# KiCad board panel.kicad_pcb
title: SMPBR - SATA Expansion; date: 2024-10-10; rev: ${VERSION}; company: TrendBit s.r.o.; note: Designed by: Petr Malaník
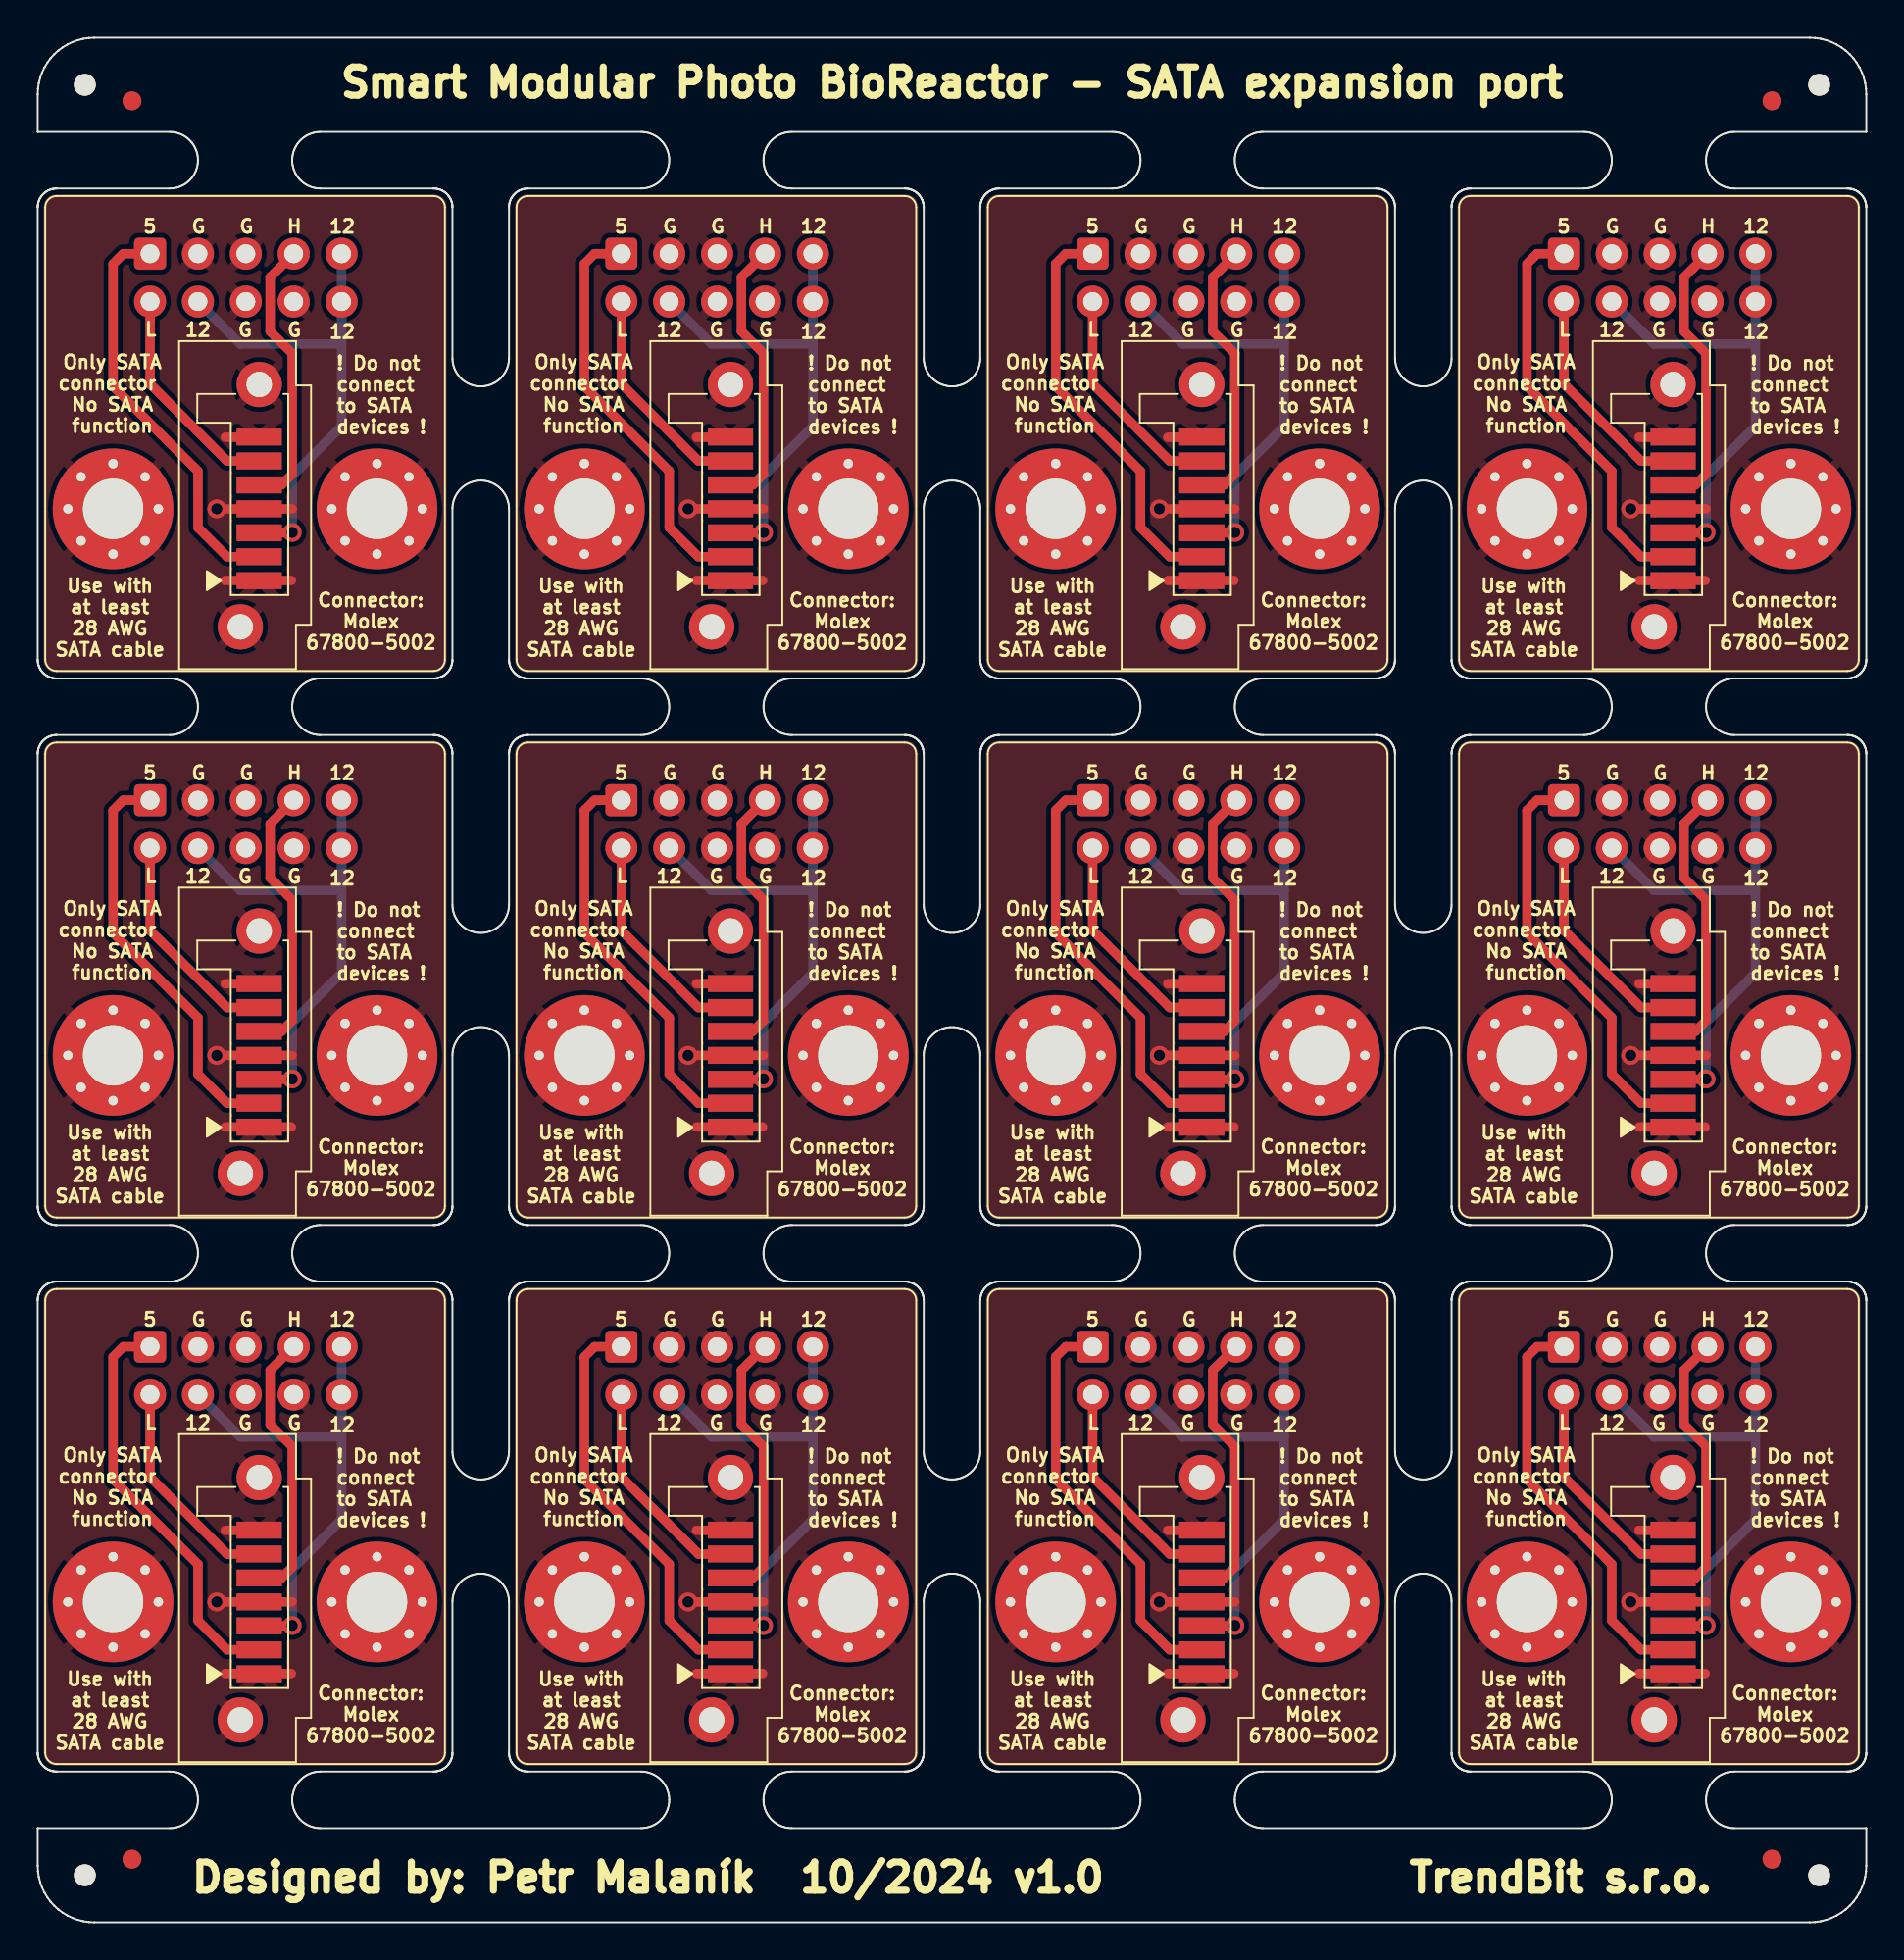
[diagram p0: board, top side]
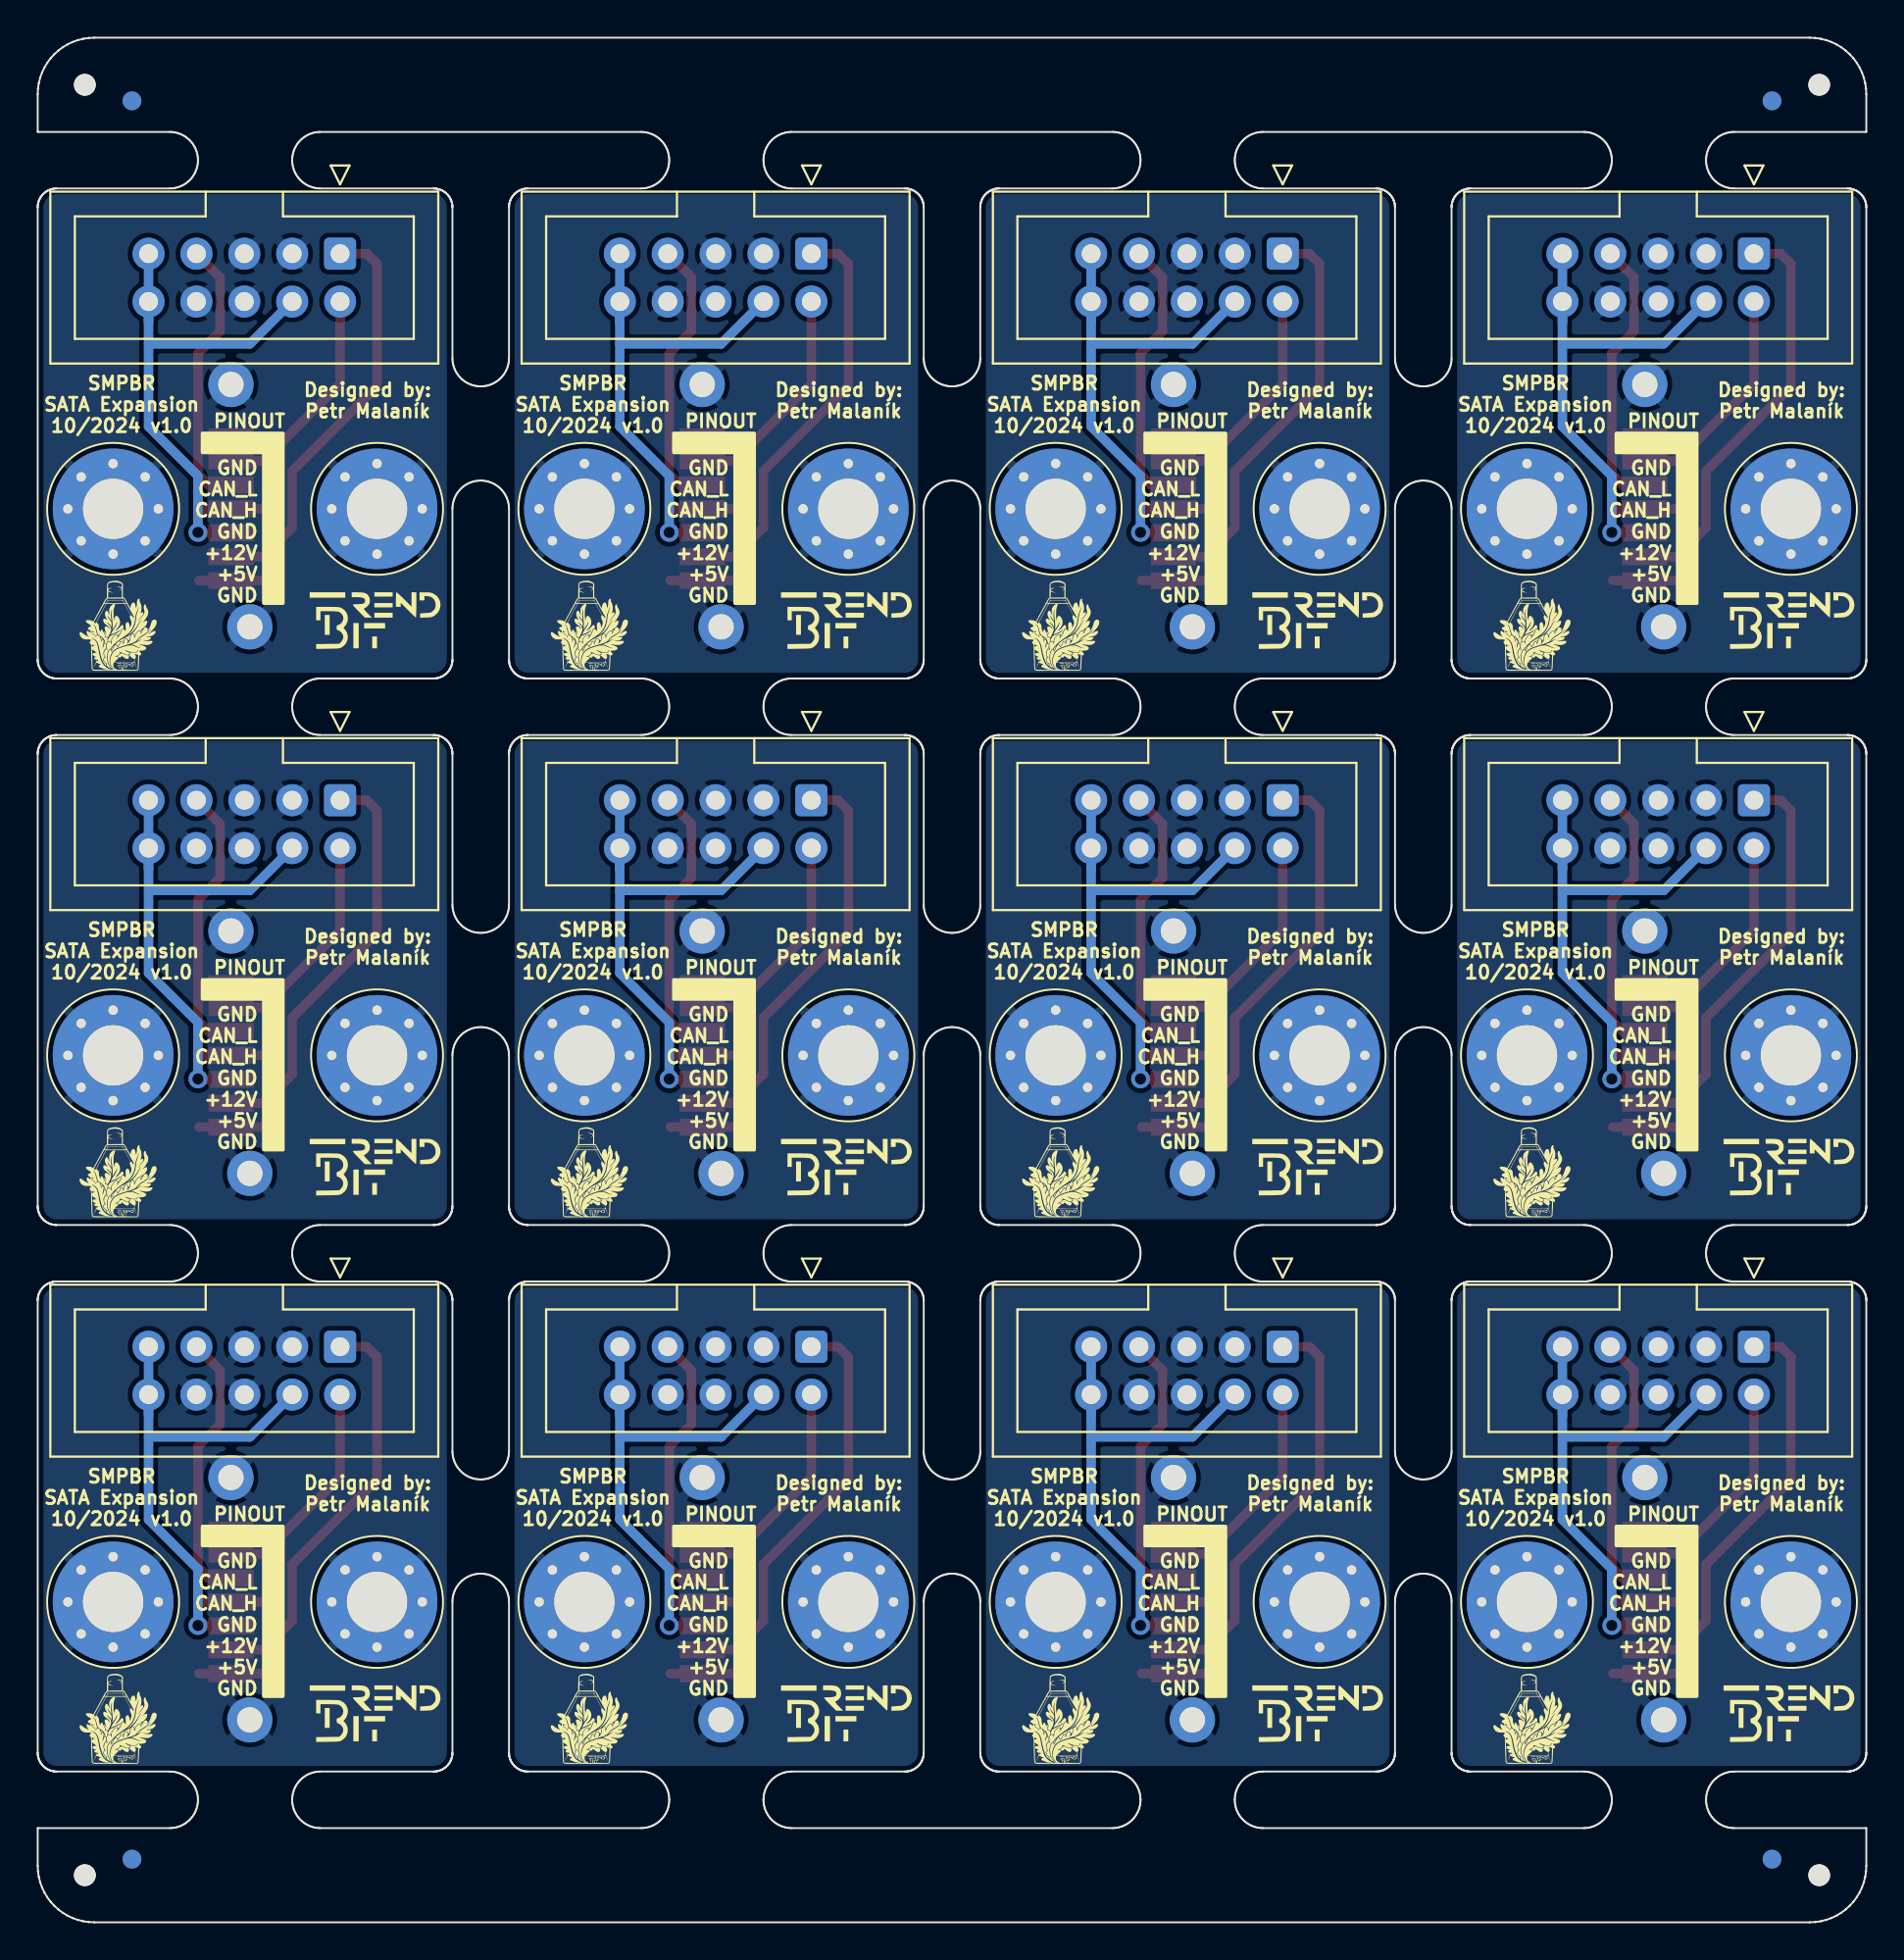
[diagram p1: board, bottom side, seen from below]

Outline 97 x 100 mm; copper layers: Top, Bottom. Coordinates in mm from the lower left corner of the outline.
Stack: Top 0.035mm / dielectric 1.51mm FR4 er 4.5 / Bottom 0.035mm

## Placement (name value [footprint] x y rotation side)
G***  -  [LOGO]  54 69 180 bottom
G***#2  -  [LOGO]  54 40 180 bottom
G***#3  -  [LOGO]  79 11 180 bottom
G***#4  -  [LOGO]  54 11 180 bottom
G***#5  -  [LOGO]  29 40 180 bottom
G***#6  -  [LOGO]  17.75 39.75 180 bottom
G***#7  -  [LOGO]  42.75 39.75 180 bottom
G***#8  -  [LOGO]  92.75 68.75 180 bottom
G***#9  -  [LOGO]  92.75 10.75 180 bottom
G***#10  -  [LOGO]  92.75 39.75 180 bottom
G***#11  -  [LOGO]  42.75 10.75 180 bottom
G***#12  -  [LOGO]  29 69 180 bottom
G***#13  -  [LOGO]  4 69 180 bottom
G***#14  -  [LOGO]  79 40 180 bottom
G***#15  -  [LOGO]  67.75 39.75 180 bottom
G***#16  -  [LOGO]  4 40 180 bottom
G***#17  -  [LOGO]  67.75 68.75 180 bottom
G***#18  -  [LOGO]  17.75 10.75 180 bottom
G***#19  -  [LOGO]  79 69 180 bottom
G***#20  -  [LOGO]  29 11 180 bottom
G***#21  -  [LOGO]  17.75 68.75 180 bottom
G***#22  -  [LOGO]  42.75 68.75 180 bottom
G***#23  -  [LOGO]  4 11 180 bottom
G***#24  -  [LOGO]  67.75 10.75 180 bottom
H1  M3  [MountingHole_3.2mm_M3_Pad_Via]  43 17 0 top
H1#2  M3  [MountingHole_3.2mm_M3_Pad_Via]  18 17 0 top
H1#3  M3  [MountingHole_3.2mm_M3_Pad_Via]  68 17 0 top
H1#4  M3  [MountingHole_3.2mm_M3_Pad_Via]  93 17 0 top
H1#5  M3  [MountingHole_3.2mm_M3_Pad_Via]  68 75 0 top
H1#6  M3  [MountingHole_3.2mm_M3_Pad_Via]  93 46 0 top
H1#7  M3  [MountingHole_3.2mm_M3_Pad_Via]  18 75 0 top
H1#8  M3  [MountingHole_3.2mm_M3_Pad_Via]  93 75 0 top
H1#9  M3  [MountingHole_3.2mm_M3_Pad_Via]  43 75 0 top
H1#10  M3  [MountingHole_3.2mm_M3_Pad_Via]  43 46 0 top
H1#11  M3  [MountingHole_3.2mm_M3_Pad_Via]  18 46 0 top
H1#12  M3  [MountingHole_3.2mm_M3_Pad_Via]  68 46 0 top
H2  M3  [MountingHole_3.2mm_M3_Pad_Via]  4 17 0 top
H2#2  M3  [MountingHole_3.2mm_M3_Pad_Via]  29 46 0 top
H2#3  M3  [MountingHole_3.2mm_M3_Pad_Via]  4 46 0 top
H2#4  M3  [MountingHole_3.2mm_M3_Pad_Via]  54 17 0 top
H2#5  M3  [MountingHole_3.2mm_M3_Pad_Via]  79 17 0 top
H2#6  M3  [MountingHole_3.2mm_M3_Pad_Via]  54 46 0 top
H2#7  M3  [MountingHole_3.2mm_M3_Pad_Via]  79 46 0 top
H2#8  M3  [MountingHole_3.2mm_M3_Pad_Via]  29 17 0 top
H2#9  M3  [MountingHole_3.2mm_M3_Pad_Via]  54 75 0 top
H2#10  M3  [MountingHole_3.2mm_M3_Pad_Via]  29 75 0 top
H2#11  M3  [MountingHole_3.2mm_M3_Pad_Via]  4 75 0 top
H2#12  M3  [MountingHole_3.2mm_M3_Pad_Via]  79 75 0 top
J1  Conn_01x07_MountingPin  [Molex_SATA_67800-5002_Vertical_SMD]  11 46 90 top
J1#2  Conn_01x07_MountingPin  [Molex_SATA_67800-5002_Vertical_SMD]  11 75 90 top
J1#3  Conn_01x07_MountingPin  [Molex_SATA_67800-5002_Vertical_SMD]  36 75 90 top
J1#4  Conn_01x07_MountingPin  [Molex_SATA_67800-5002_Vertical_SMD]  36 46 90 top
J1#5  Conn_01x07_MountingPin  [Molex_SATA_67800-5002_Vertical_SMD]  86 46 90 top
J1#6  Conn_01x07_MountingPin  [Molex_SATA_67800-5002_Vertical_SMD]  36 17 90 top
J1#7  Conn_01x07_MountingPin  [Molex_SATA_67800-5002_Vertical_SMD]  61 46 90 top
J1#8  Conn_01x07_MountingPin  [Molex_SATA_67800-5002_Vertical_SMD]  61 17 90 top
J1#9  Conn_01x07_MountingPin  [Molex_SATA_67800-5002_Vertical_SMD]  11 17 90 top
J1#10  Conn_01x07_MountingPin  [Molex_SATA_67800-5002_Vertical_SMD]  61 75 90 top
J1#11  Conn_01x07_MountingPin  [Molex_SATA_67800-5002_Vertical_SMD]  86 75 90 top
J1#12  Conn_01x07_MountingPin  [Molex_SATA_67800-5002_Vertical_SMD]  86 17 90 top
J2  2.54-2*5P  [IDC-Header_2x05_P2.54mm_Vertical]  5.96 59.54 270 bottom
J2#2  2.54-2*5P  [IDC-Header_2x05_P2.54mm_Vertical]  80.96 59.54 270 bottom
J2#3  2.54-2*5P  [IDC-Header_2x05_P2.54mm_Vertical]  55.96 88.54 270 bottom
J2#4  2.54-2*5P  [IDC-Header_2x05_P2.54mm_Vertical]  30.96 59.54 270 bottom
J2#5  2.54-2*5P  [IDC-Header_2x05_P2.54mm_Vertical]  55.96 30.54 270 bottom
J2#6  2.54-2*5P  [IDC-Header_2x05_P2.54mm_Vertical]  30.96 88.54 270 bottom
J2#7  2.54-2*5P  [IDC-Header_2x05_P2.54mm_Vertical]  5.96 88.54 270 bottom
J2#8  2.54-2*5P  [IDC-Header_2x05_P2.54mm_Vertical]  80.96 88.54 270 bottom
J2#9  2.54-2*5P  [IDC-Header_2x05_P2.54mm_Vertical]  55.96 59.54 270 bottom
J2#10  2.54-2*5P  [IDC-Header_2x05_P2.54mm_Vertical]  30.96 30.54 270 bottom
J2#11  2.54-2*5P  [IDC-Header_2x05_P2.54mm_Vertical]  5.96 30.54 270 bottom
J2#12  2.54-2*5P  [IDC-Header_2x05_P2.54mm_Vertical]  80.96 30.54 270 bottom
KiKit_FID_B_1  -  [Fiducial]  5 96.65 0 bottom
KiKit_FID_B_2  -  [Fiducial]  92 96.65 0 bottom
KiKit_FID_B_3  -  [Fiducial]  5 3.35 0 bottom
KiKit_FID_B_4  -  [Fiducial]  92 3.35 0 bottom
KiKit_FID_T_1  -  [Fiducial]  5 96.65 0 top
KiKit_FID_T_2  -  [Fiducial]  92 96.65 0 top
KiKit_FID_T_3  -  [Fiducial]  5 3.35 0 top
KiKit_FID_T_4  -  [Fiducial]  92 3.35 0 top
KiKit_TO_1  -  [NPTH]  2.5 97.5 0 top
KiKit_TO_2  -  [NPTH]  94.5 97.5 0 top
KiKit_TO_3  -  [NPTH]  2.5 2.5 0 top
KiKit_TO_4  -  [NPTH]  94.5 2.5 0 top

## Library data of the parts
H1 H1#2-H1#12 H2 H2#2-H2#12 = -: Description: Mounting Hole with connection
J1 J1#2-J1#12 = -: Description: Generic connectable mounting pin connector, single row, 01x07, script generated (kicad-library-utils/schlib/autogen/connector/)
J2 J2#2-J2#12 = -: Description: Generic connector, double row, 02x05, odd/even pin numbering scheme (row 1 odd numbers, row 2 even numbers), script generated (kicad-library-utils/schlib/autogen/connector/); LCSC: C5665

## Footprints (pads in the part's own frame, mm; a bottom-side part is the same pattern mirrored in y, then rotated)
Fiducial
  round 1 smd: (0,0)
IDC-Header_2x05_P2.54mm_Vertical
  rrect 1.7x1.7 hole 1: 1(0,0)
  round 1.7 hole 1: 2(2.54,0) 3(0,-2.54) 4(2.54,-2.54) 5(0,-5.08) 6(2.54,-5.08) 7(0,-7.62) 8(2.54,-7.62) 9(0,-10.16) 10(2.54,-10.16)
Molex_SATA_67800-5002_Vertical_SMD
  rect 0.9x2.4 smd: 1(-3.81,-0.75) 2(-2.54,-0.75) 3(-1.27,-0.75) 4(0,-0.75) 5(1.27,-0.75) 6(2.54,-0.75) 7(3.81,-0.75)
  round 2.4 hole 1.35: MP(-6.26,0.25) MP(6.6,-0.75)
MountingHole_3.2mm_M3_Pad_Via
  round 0.8 hole 0.5: 1(-2.4,0) 1(-1.697,1.697) 1(-1.697,-1.697) 1(0,2.4) 1(0,-2.4) 1(1.697,1.697) 1(1.697,-1.697) 1(2.4,0)
  round 6.4 hole 3.2: 1(0,0)
NPTH
  round 1.152 hole 1.152 unplated: (0,0)

## Nets
Board_0-+5V: J1#2.2 J2#7.1
Board_0-+12V: J1#2.3 J2#7.4 J2#7.9 J2#7.10
Board_0-/CAN_H: J1#2.5 J2#7.7
Board_0-/CAN_L: J1#2.6 J2#7.2
Board_0-GND: H1#7.1 H2#11.1 J1#2.1 J1#2.4 J1#2.7 J1#2.MP J2#7.3 J2#7.5 J2#7.6 J2#7.8
Board_1-+5V: J1#3.2 J2#6.1
Board_1-+12V: J1#3.3 J2#6.4 J2#6.9 J2#6.10
Board_1-/CAN_H: J1#3.5 J2#6.7
Board_1-/CAN_L: J1#3.6 J2#6.2
Board_1-GND: H1#9.1 H2#10.1 J1#3.1 J1#3.4 J1#3.7 J1#3.MP J2#6.3 J2#6.5 J2#6.6 J2#6.8
Board_2-+5V: J1#10.2 J2#3.1
Board_2-+12V: J1#10.3 J2#3.4 J2#3.9 J2#3.10
Board_2-/CAN_H: J1#10.5 J2#3.7
Board_2-/CAN_L: J1#10.6 J2#3.2
Board_2-GND: H1#5.1 H2#9.1 J1#10.1 J1#10.4 J1#10.7 J1#10.MP J2#3.3 J2#3.5 J2#3.6 J2#3.8
Board_3-+5V: J1#11.2 J2#8.1
Board_3-+12V: J1#11.3 J2#8.4 J2#8.9 J2#8.10
Board_3-/CAN_H: J1#11.5 J2#8.7
Board_3-/CAN_L: J1#11.6 J2#8.2
Board_3-GND: H1#8.1 H2#12.1 J1#11.1 J1#11.4 J1#11.7 J1#11.MP J2#8.3 J2#8.5 J2#8.6 J2#8.8
Board_4-+5V: J1.2 J2.1
Board_4-+12V: J1.3 J2.4 J2.9 J2.10
Board_4-/CAN_H: J1.5 J2.7
Board_4-/CAN_L: J1.6 J2.2
Board_4-GND: H1#11.1 H2#3.1 J1.1 J1.4 J1.7 J1.MP J2.3 J2.5 J2.6 J2.8
Board_5-+5V: J1#4.2 J2#4.1
Board_5-+12V: J1#4.3 J2#4.4 J2#4.9 J2#4.10
Board_5-/CAN_H: J1#4.5 J2#4.7
Board_5-/CAN_L: J1#4.6 J2#4.2
Board_5-GND: H1#10.1 H2#2.1 J1#4.1 J1#4.4 J1#4.7 J1#4.MP J2#4.3 J2#4.5 J2#4.6 J2#4.8
Board_6-+5V: J1#7.2 J2#9.1
Board_6-+12V: J1#7.3 J2#9.4 J2#9.9 J2#9.10
Board_6-/CAN_H: J1#7.5 J2#9.7
Board_6-/CAN_L: J1#7.6 J2#9.2
Board_6-GND: H1#12.1 H2#6.1 J1#7.1 J1#7.4 J1#7.7 J1#7.MP J2#9.3 J2#9.5 J2#9.6 J2#9.8
Board_7-+5V: J1#5.2 J2#2.1
Board_7-+12V: J1#5.3 J2#2.4 J2#2.9 J2#2.10
Board_7-/CAN_H: J1#5.5 J2#2.7
Board_7-/CAN_L: J1#5.6 J2#2.2
Board_7-GND: H1#6.1 H2#7.1 J1#5.1 J1#5.4 J1#5.7 J1#5.MP J2#2.3 J2#2.5 J2#2.6 J2#2.8
Board_8-+5V: J1#9.2 J2#11.1
Board_8-+12V: J1#9.3 J2#11.4 J2#11.9 J2#11.10
Board_8-/CAN_H: J1#9.5 J2#11.7
Board_8-/CAN_L: J1#9.6 J2#11.2
Board_8-GND: H1#2.1 H2.1 J1#9.1 J1#9.4 J1#9.7 J1#9.MP J2#11.3 J2#11.5 J2#11.6 J2#11.8
Board_9-+5V: J1#6.2 J2#10.1
Board_9-+12V: J1#6.3 J2#10.4 J2#10.9 J2#10.10
Board_9-/CAN_H: J1#6.5 J2#10.7
Board_9-/CAN_L: J1#6.6 J2#10.2
Board_9-GND: H1.1 H2#8.1 J1#6.1 J1#6.4 J1#6.7 J1#6.MP J2#10.3 J2#10.5 J2#10.6 J2#10.8
Board_10-+5V: J1#8.2 J2#5.1
Board_10-+12V: J1#8.3 J2#5.4 J2#5.9 J2#5.10
Board_10-/CAN_H: J1#8.5 J2#5.7
Board_10-/CAN_L: J1#8.6 J2#5.2
Board_10-GND: H1#3.1 H2#4.1 J1#8.1 J1#8.4 J1#8.7 J1#8.MP J2#5.3 J2#5.5 J2#5.6 J2#5.8
Board_11-+5V: J1#12.2 J2#12.1
Board_11-+12V: J1#12.3 J2#12.4 J2#12.9 J2#12.10
Board_11-/CAN_H: J1#12.5 J2#12.7
Board_11-/CAN_L: J1#12.6 J2#12.2
Board_11-GND: H1#4.1 H2#5.1 J1#12.1 J1#12.4 J1#12.7 J1#12.MP J2#12.3 J2#12.5 J2#12.6 J2#12.8

## Via types
v1: diameter 1, hole 0.6, Top to Bottom, 24 vias

## Routing (per net, layer and track width the routed paths; a pad name or vN(x,y) marks a point on that pad's centre or on a via; arc(x,y) is an arc through that point)
Board_0-+5V: length 21.9
  Top w0.5: J2#7.1 4.54,88.54 4,88 4,81.5 8.5,77 8.5,74.01 10.05,72.46 J1#2.2
Board_0-+12V: length 27.3
  Top w0.5: v1(13.5,73.75) 13.48,73.73 J1#2.3
  Bottom w0.5: v1(13.5,73.75) 13.5,76.75 16.12,79.37 J2#7.10 ; J2#7.10 J2#7.9 ; J2#7.10 16.12,84.87 ; J2#7.4 10.75,83.75 16.12,83.75
Board_0-/CAN_H: length 14.7
  Top w0.5: J1#2.5 12.93,76.27 13.5,76.84 13.5,83.25 12.33,84.42 12.33,87.29 J2#7.7
Board_0-/CAN_L: length 11.9
  Top w0.5: J1#2.6 10.05,77.54 5.96,81.63 J2#7.2
Board_0-GND: length 9.2
  Top w0.5: 13.5,75 J1#2.4 v1(9.5,75) ; 9.95,71.2 13.45,71.2 ; 11.7,78.8 9.95,78.8
Board_1-+5V: length 21.9
  Top w0.5: J1#3.2 35.05,72.46 33.5,74.01 33.5,77 29,81.5 29,88 29.54,88.54 J2#6.1
Board_1-+12V: length 27.3
  Top w0.5: v1(38.5,73.75) 38.48,73.73 J1#3.3
  Bottom w0.5: J2#6.9 J2#6.10 ; J2#6.10 41.12,84.87 ; J2#6.10 41.12,79.37 38.5,76.75 v1(38.5,73.75) ; J2#6.4 35.75,83.75 41.12,83.75
Board_1-/CAN_H: length 14.7
  Top w0.5: J2#6.7 37.33,87.29 37.33,84.42 38.5,83.25 38.5,76.84 37.93,76.27 J1#3.5
Board_1-/CAN_L: length 11.9
  Top w0.5: J1#3.6 35.05,77.54 30.96,81.63 J2#6.2
Board_1-GND: length 9.2
  Top w0.5: 36.7,78.8 34.95,78.8 ; 38.5,75 J1#3.4 v1(34.5,75) ; 34.95,71.2 38.45,71.2
Board_2-+5V: length 21.9
  Top w0.5: J1#10.2 60.05,72.46 58.5,74.01 58.5,77 54,81.5 54,88 54.54,88.54 J2#3.1
Board_2-+12V: length 27.3
  Top w0.5: v1(63.5,73.75) 63.48,73.73 J1#10.3
  Bottom w0.5: 66.12,84.87 J2#3.10 ; J2#3.10 66.12,79.37 63.5,76.75 v1(63.5,73.75) ; J2#3.10 J2#3.9 ; 66.12,83.75 60.75,83.75 J2#3.4
Board_2-/CAN_H: length 14.7
  Top w0.5: J1#10.5 62.93,76.27 63.5,76.84 63.5,83.25 62.33,84.42 62.33,87.29 J2#3.7
Board_2-/CAN_L: length 11.9
  Top w0.5: J2#3.2 55.96,81.63 60.05,77.54 J1#10.6
Board_2-GND: length 9.2
  Top w0.5: v1(59.5,75) J1#10.4 63.5,75 ; 59.95,71.2 63.45,71.2 ; 61.7,78.8 59.95,78.8
Board_3-+5V: length 21.9
  Top w0.5: J2#8.1 79.54,88.54 79,88 79,81.5 83.5,77 83.5,74.01 85.05,72.46 J1#11.2
Board_3-+12V: length 27.3
  Top w0.5: v1(88.5,73.75) 88.48,73.73 J1#11.3
  Bottom w0.5: v1(88.5,73.75) 88.5,76.75 91.12,79.37 J2#8.10 ; J2#8.4 85.75,83.75 91.12,83.75 ; 91.12,84.87 J2#8.10 ; J2#8.10 J2#8.9
Board_3-/CAN_H: length 14.7
  Top w0.5: J1#11.5 87.93,76.27 88.5,76.84 88.5,83.25 87.33,84.42 87.33,87.29 J2#8.7
Board_3-/CAN_L: length 11.9
  Top w0.5: J2#8.2 80.96,81.63 85.05,77.54 J1#11.6
Board_3-GND: length 9.2
  Top w0.5: v1(84.5,75) J1#11.4 88.5,75 ; 86.7,78.8 84.95,78.8 ; 88.45,71.2 84.95,71.2
Board_4-+5V: length 21.9
  Top w0.5: J1.2 10.05,43.46 8.5,45.01 8.5,48 4,52.5 4,59 4.54,59.54 J2.1
Board_4-+12V: length 27.3
  Top w0.5: v1(13.5,44.75) 13.48,44.73 J1.3
  Bottom w0.5: J2.9 J2.10 ; J2.10 16.12,50.37 13.5,47.75 v1(13.5,44.75) ; J2.10 16.12,55.87 ; J2.4 10.75,54.75 16.12,54.75
Board_4-/CAN_H: length 14.7
  Top w0.5: J2.7 12.33,58.29 12.33,55.42 13.5,54.25 13.5,47.84 12.93,47.27 J1.5
Board_4-/CAN_L: length 11.9
  Top w0.5: J2.2 5.96,52.63 10.05,48.54 J1.6
Board_4-GND: length 9.2
  Top w0.5: 13.5,46 J1.4 v1(9.5,46) ; 11.7,49.8 9.95,49.8 ; 13.45,42.2 9.95,42.2
Board_5-+5V: length 21.9
  Top w0.5: J2#4.1 29.54,59.54 29,59 29,52.5 33.5,48 33.5,45.01 35.05,43.46 J1#4.2
Board_5-+12V: length 27.3
  Top w0.5: v1(38.5,44.75) 38.48,44.73 J1#4.3
  Bottom w0.5: 41.12,55.87 J2#4.10 ; J2#4.10 J2#4.9 ; J2#4.10 41.12,50.37 38.5,47.75 v1(38.5,44.75) ; J2#4.4 35.75,54.75 41.12,54.75
Board_5-/CAN_H: length 14.7
  Top w0.5: J1#4.5 37.93,47.27 38.5,47.84 38.5,54.25 37.33,55.42 37.33,58.29 J2#4.7
Board_5-/CAN_L: length 11.9
  Top w0.5: J1#4.6 35.05,48.54 30.96,52.63 J2#4.2
Board_5-GND: length 9.2
  Top w0.5: 34.95,42.2 38.45,42.2 ; 36.7,49.8 34.95,49.8 ; 38.5,46 J1#4.4 v1(34.5,46)
Board_6-+5V: length 21.9
  Top w0.5: J2#9.1 54.54,59.54 54,59 54,52.5 58.5,48 58.5,45.01 60.05,43.46 J1#7.2
Board_6-+12V: length 27.3
  Top w0.5: J1#7.3 63.48,44.73 v1(63.5,44.75)
  Bottom w0.5: J2#9.4 60.75,54.75 66.12,54.75 ; 66.12,55.87 J2#9.10 ; J2#9.10 66.12,50.37 63.5,47.75 v1(63.5,44.75) ; J2#9.10 J2#9.9
Board_6-/CAN_H: length 14.7
  Top w0.5: J1#7.5 62.93,47.27 63.5,47.84 63.5,54.25 62.33,55.42 62.33,58.29 J2#9.7
Board_6-/CAN_L: length 11.9
  Top w0.5: J1#7.6 60.05,48.54 55.96,52.63 J2#9.2
Board_6-GND: length 9.2
  Top w0.5: 63.45,42.2 59.95,42.2 ; v1(59.5,46) J1#7.4 63.5,46 ; 61.7,49.8 59.95,49.8
Board_7-+5V: length 21.9
  Top w0.5: J2#2.1 79.54,59.54 79,59 79,52.5 83.5,48 83.5,45.01 85.05,43.46 J1#5.2
Board_7-+12V: length 27.3
  Top w0.5: J1#5.3 88.48,44.73 v1(88.5,44.75)
  Bottom w0.5: 91.12,54.75 85.75,54.75 J2#2.4 ; v1(88.5,44.75) 88.5,47.75 91.12,50.37 J2#2.10 ; 91.12,55.87 J2#2.10 ; J2#2.10 J2#2.9
Board_7-/CAN_H: length 14.7
  Top w0.5: J1#5.5 87.93,47.27 88.5,47.84 88.5,54.25 87.33,55.42 87.33,58.29 J2#2.7
Board_7-/CAN_L: length 11.9
  Top w0.5: J2#2.2 80.96,52.63 85.05,48.54 J1#5.6
Board_7-GND: length 9.2
  Top w0.5: 88.5,46 J1#5.4 v1(84.5,46) ; 84.95,42.2 88.45,42.2 ; 86.7,49.8 84.95,49.8
Board_8-+5V: length 21.9
  Top w0.5: J1#9.2 10.05,14.46 8.5,16.01 8.5,19 4,23.5 4,30 4.54,30.54 J2#11.1
Board_8-+12V: length 27.3
  Top w0.5: v1(13.5,15.75) 13.48,15.73 J1#9.3
  Bottom w0.5: J2#11.4 10.75,25.75 16.12,25.75 ; J2#11.9 J2#11.10 ; J2#11.10 16.12,26.87 ; J2#11.10 16.12,21.37 13.5,18.75 v1(13.5,15.75)
Board_8-/CAN_H: length 14.7
  Top w0.5: J1#9.5 12.93,18.27 13.5,18.84 13.5,25.25 12.33,26.42 12.33,29.29 J2#11.7
Board_8-/CAN_L: length 11.9
  Top w0.5: J1#9.6 10.05,19.54 5.96,23.63 J2#11.2
Board_8-GND: length 9.2
  Top w0.5: 9.95,13.2 13.45,13.2 ; 11.7,20.8 9.95,20.8 ; v1(9.5,17) J1#9.4 13.5,17
Board_9-+5V: length 21.9
  Top w0.5: J2#10.1 29.54,30.54 29,30 29,23.5 33.5,19 33.5,16.01 35.05,14.46 J1#6.2
Board_9-+12V: length 27.3
  Top w0.5: J1#6.3 38.48,15.73 v1(38.5,15.75)
  Bottom w0.5: J2#10.9 J2#10.10 ; J2#10.10 41.12,21.37 38.5,18.75 v1(38.5,15.75) ; J2#10.10 41.12,26.87 ; J2#10.4 35.75,25.75 41.12,25.75
Board_9-/CAN_H: length 14.7
  Top w0.5: J2#10.7 37.33,29.29 37.33,26.42 38.5,25.25 38.5,18.84 37.93,18.27 J1#6.5
Board_9-/CAN_L: length 11.9
  Top w0.5: J2#10.2 30.96,23.63 35.05,19.54 J1#6.6
Board_9-GND: length 9.2
  Top w0.5: 38.5,17 J1#6.4 v1(34.5,17) ; 36.7,20.8 34.95,20.8 ; 38.45,13.2 34.95,13.2
Board_10-+5V: length 21.9
  Top w0.5: J1#8.2 60.05,14.46 58.5,16.01 58.5,19 54,23.5 54,30 54.54,30.54 J2#5.1
Board_10-+12V: length 27.3
  Top w0.5: v1(63.5,15.75) 63.48,15.73 J1#8.3
  Bottom w0.5: J2#5.10 66.12,21.37 63.5,18.75 v1(63.5,15.75) ; J2#5.10 J2#5.9 ; J2#5.10 66.12,26.87 ; 66.12,25.75 60.75,25.75 J2#5.4
Board_10-/CAN_H: length 14.7
  Top w0.5: J2#5.7 62.33,29.29 62.33,26.42 63.5,25.25 63.5,18.84 62.93,18.27 J1#8.5
Board_10-/CAN_L: length 11.9
  Top w0.5: J1#8.6 60.05,19.54 55.96,23.63 J2#5.2
Board_10-GND: length 9.2
  Top w0.5: v1(59.5,17) J1#8.4 63.5,17 ; 61.7,20.8 59.95,20.8 ; 59.95,13.2 63.45,13.2
Board_11-+5V: length 21.9
  Top w0.5: J1#12.2 85.05,14.46 83.5,16.01 83.5,19 79,23.5 79,30 79.54,30.54 J2#12.1
Board_11-+12V: length 27.3
  Top w0.5: J1#12.3 88.48,15.73 v1(88.5,15.75)
  Bottom w0.5: J2#12.9 J2#12.10 ; J2#12.10 91.12,21.37 88.5,18.75 v1(88.5,15.75) ; J2#12.10 91.12,26.87 ; 91.12,25.75 85.75,25.75 J2#12.4
Board_11-/CAN_H: length 14.7
  Top w0.5: J1#12.5 87.93,18.27 88.5,18.84 88.5,25.25 87.33,26.42 87.33,29.29 J2#12.7
Board_11-/CAN_L: length 11.9
  Top w0.5: J2#12.2 80.96,23.63 85.05,19.54 J1#12.6
Board_11-GND: length 9.2
  Top w0.5: 86.7,20.8 84.95,20.8 ; 84.95,13.2 88.45,13.2 ; v1(84.5,17) J1#12.4 88.5,17

## Copper pours and planes (outline as drawn; the poured copper is in the pictures)
Board_0-GND on Top, Bottom: 0,92 22,92 22,66 0,66
Board_1-GND on Top, Bottom: 25,92 47,92 47,66 25,66
Board_2-GND on Top, Bottom: 50,92 72,92 72,66 50,66
Board_3-GND on Top, Bottom: 75,92 97,92 97,66 75,66
Board_4-GND on Top, Bottom: 0,63 22,63 22,37 0,37
Board_5-GND on Top, Bottom: 25,63 47,63 47,37 25,37
Board_6-GND on Top, Bottom: 50,63 72,63 72,37 50,37
Board_7-GND on Top, Bottom: 75,63 97,63 97,37 75,37
Board_8-GND on Top, Bottom: 0,34 22,34 22,8 0,8
Board_9-GND on Top, Bottom: 25,34 47,34 47,8 25,8
Board_10-GND on Top, Bottom: 50,34 72,34 72,8 50,8
Board_11-GND on Top, Bottom: 75,34 97,34 97,8 75,8

## Text on the board
B.Silkscreen: PINOUT | Designed by: / Petr Malaník | SMPBR / SATA Expansion / 10/2024 v1.0 | GND / CAN_L / CAN_H / GND / +12V / +5V / GND
User.Comments: V-CUT
F.Silkscreen: ! Do not / connect / to SATA / devices ! | Only SATA / connector / No SATA / function | 5 | L | 12 | G | H | Connector: / Molex / 67800-5002 | Use with / at least / 28 AWG / SATA cable | Designed by: Petr Malaník | Smart Modular Photo BioReactor - SATA expansion port | 10/2024 v1.0 | TrendBit s.r.o.
